# Altium PCB STM32F407开发板.PcbDoc (part 3 of 3) (continued)
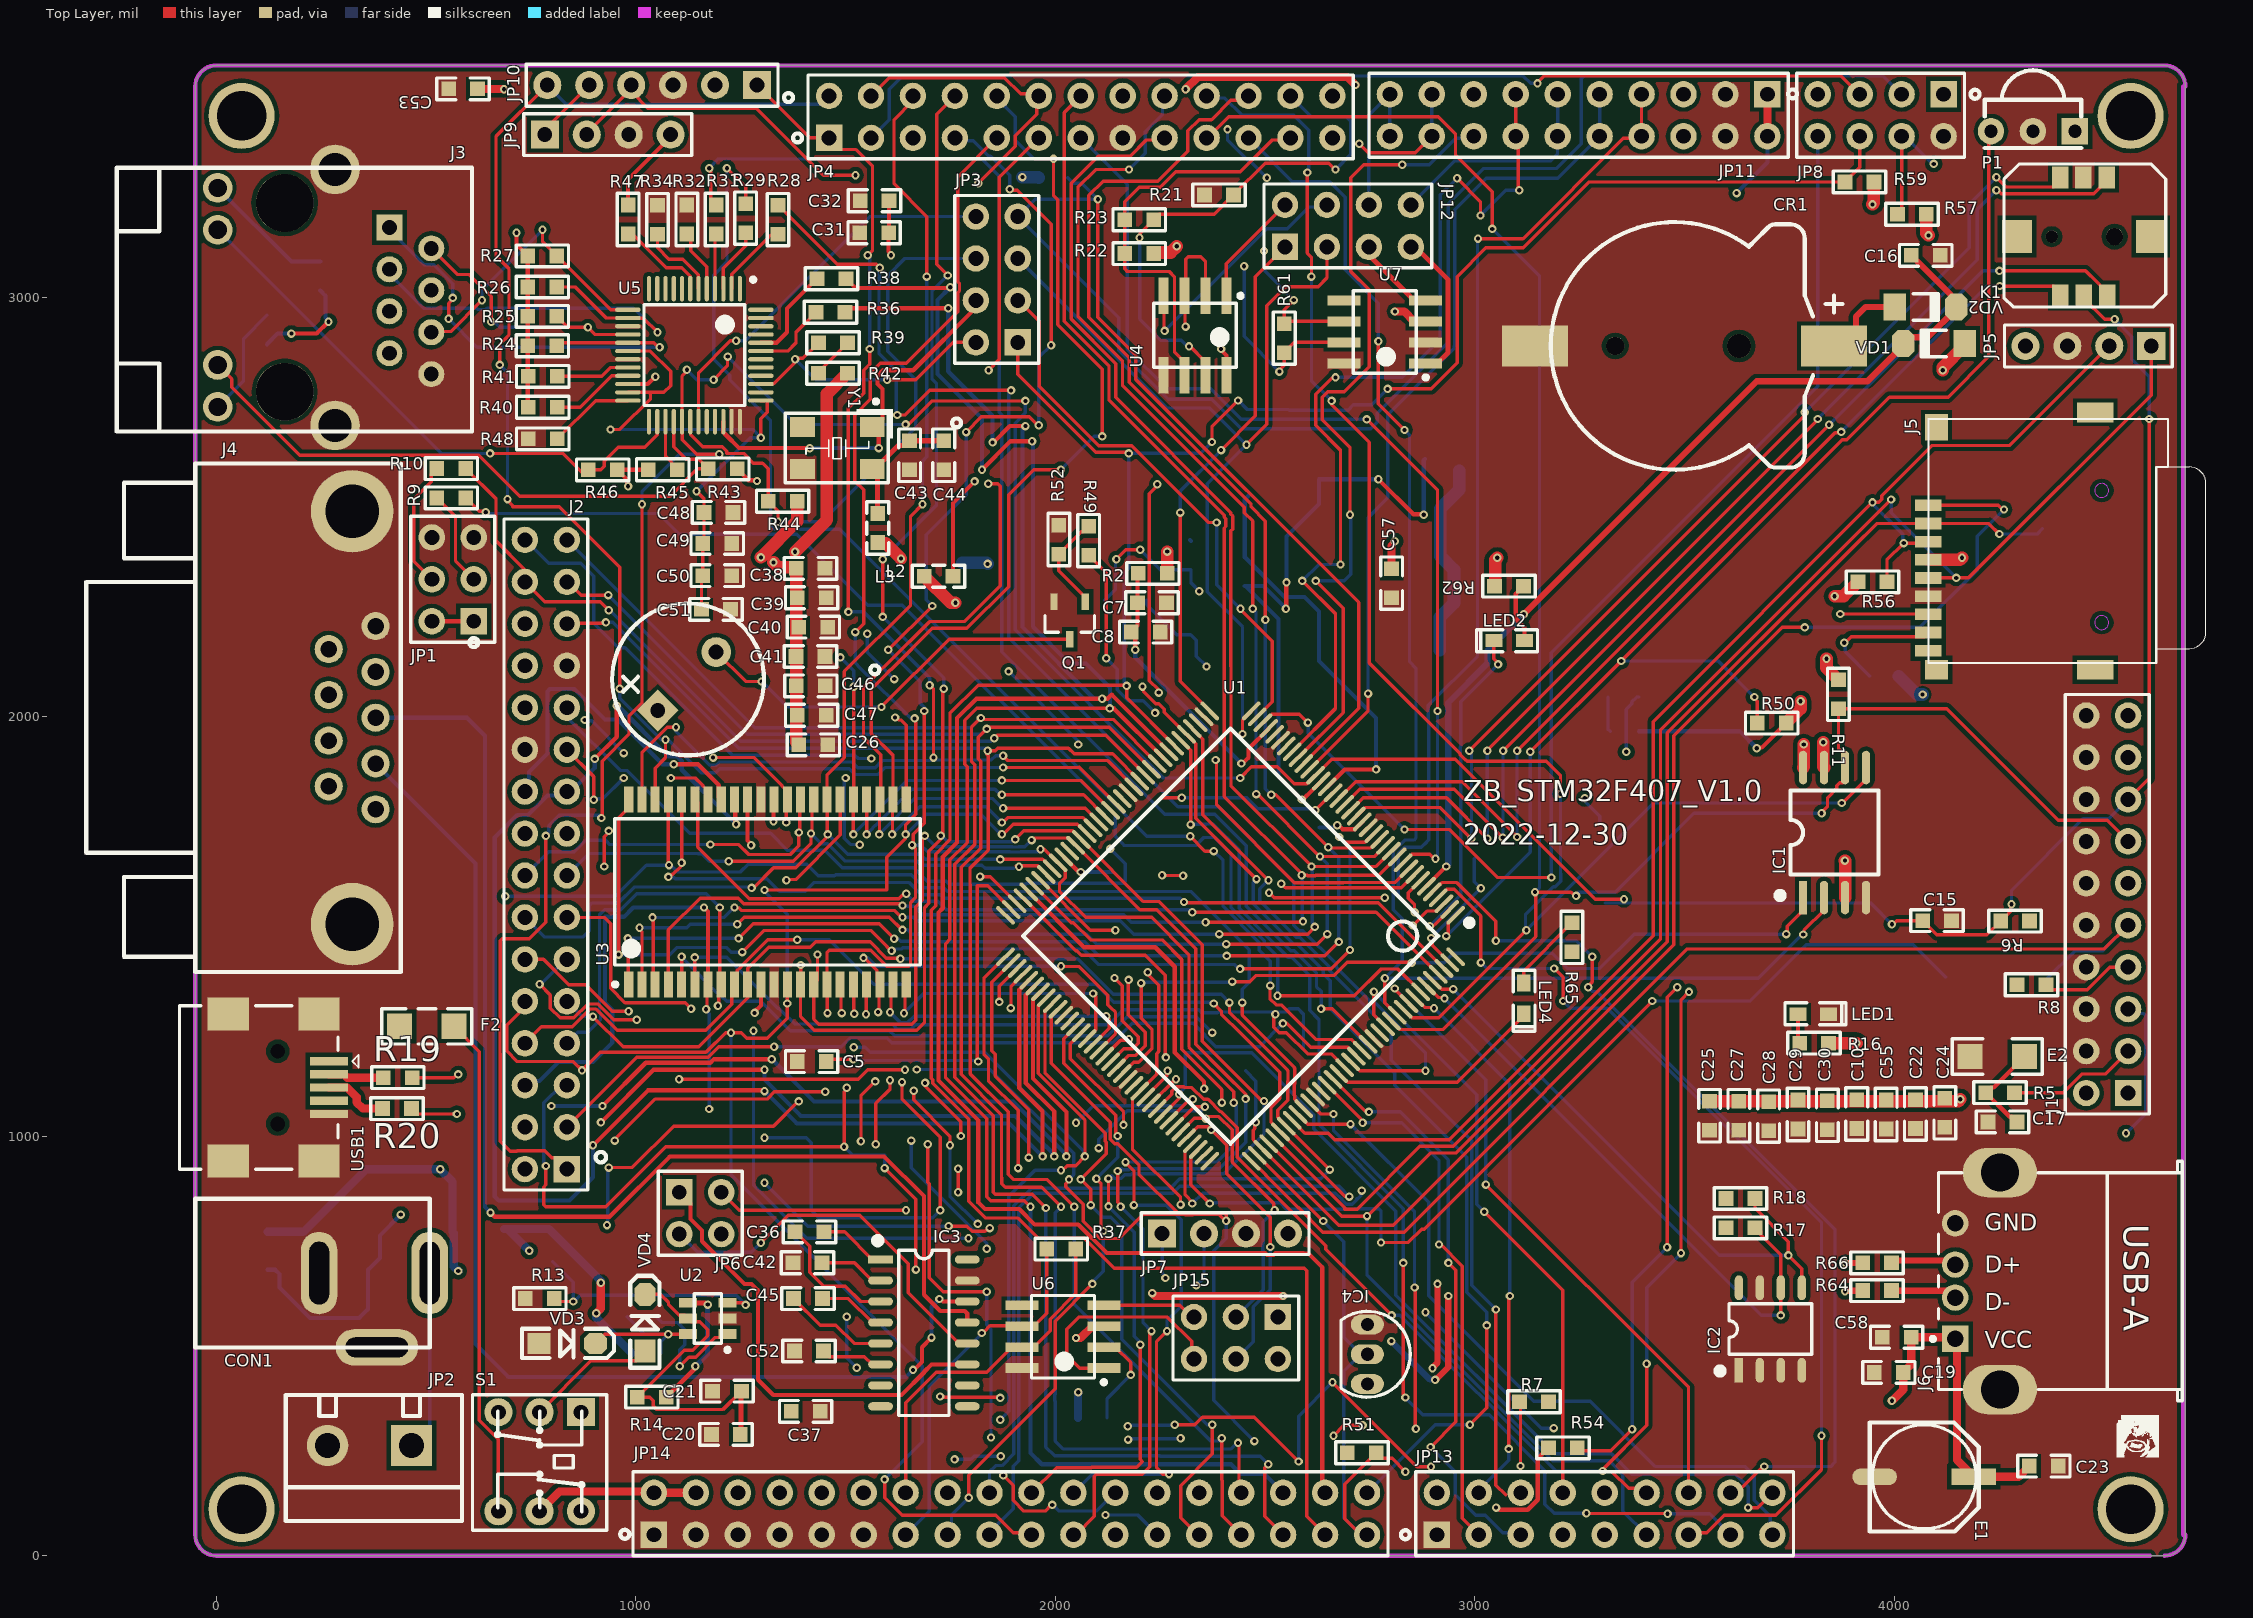
[diagram p0: Top Layer view]
## Nets (pads, with @x,y where several pads share a name; then routed paths per layer and width w, separated by ;. In a path a pad name is that pad's centre, name@x,y a point inside that pad or via, vN(x,y) a via of type N, cw(c..) or ccw(c..) an arc to the next point about the centre after c; other vN are vias at no path point) (continued)
  Bottom Layer w8: JP4.20@2361,3480 2366.01,3474.99 2404.5,3474.99 2445.74,3433.75 2568.77,3433.75 2604.5,3398.02 2604.5,3300.81 v1(2601.25,3297.56) ; v1(2611,3049.38) 2611,2800.96 v1(2659.03,2752.92) ; v1(3204.6,1816.29) 3204.6,1626.4 3205,1626 3205,1607.77 3192.11,1594.88 3187.98,1594.88 3121.21,1528.11 3121.21,1493.42 v1(3123.5,1491.12) 3426.87,1794.49 v1(3875.39,1794.49) v1@3872.71,1791.8
PB10: JP9.1 JP10.5 U1.69 | length 4679
  Top Layer w8: JP9.1@789.31,3387.85 783.34,3393.82 783.34,3399.76 JP10.5@889.31,3505.73 ; v1(924.98,1642.92) 924.98,1713.89 935.81,1724.72 v1(935.81,1727.97) ; v1(950.06,989.51) 950.06,992.73 1046.02,1088.69 1313.42,1088.69 1330.59,1105.86 v1(1451.99,1105.86) ; U1.69@1923.36,1568.37 2049.4,1442.33 2051.97,1442.33 2062.69,1431.61 2214.79,1431.61 2262.85,1383.55 2262.85,1193.58 2264,1192.43 v1(2264,1188)
  PWR03 w8: JP9.1@789.31,3387.85 918.02,3259.14 918.02,2675.76 957.74,2636.04 957.74,2212.72 937.14,2192.12 937.14,1729.3 v1(935.81,1727.97) ; v1(924.98,1642.92) 924.98,1328.76 950.06,1303.68 v1(950.06,989.51) ; v1(1451.99,1105.86) 1477.2,1105.86 1490.46,1092.6 1653.72,1092.6 1655.66,1090.67 1670.52,1090.67 1672.45,1092.6 2161.88,1092.6 2257.27,1188 v1(2264,1188)
PB11: JP9.2 JP10.4 U1.70 | length 2920.1
  Top Layer w8: JP9.2@889.31,3387.85 889.31,3396.79 JP10.4@989.31,3496.79 ; JP10.4@989.31,3505.73 JP10.4@989.31,3496.79 ; v1(1524.1,3290.83) 1447.7,3290.83 1288.54,3450 1029.97,3450 989.31,3490.66 JP10.4@989.31,3496.79 ; v1(1821,1619) 1844.89,1619 U1.70@1909.44,1554.45
  PWR03 w8: v1(1500.45,1854) 1500.45,1973.67 v1(1616.59,2089.82) ; v1(1524.1,3290.83) 1535.27,3279.66 1535.27,2215.33 1541.27,2209.32 1541.27,2208.94 v1(1552.23,2197.99) ; v1(1534,1695) 1624.43,1695 1700.43,1619 v1(1821,1619)
  Bottom Layer w8: v1@1496.96,1847.27 1496.96,1710.55 1512,1695.52 1533.48,1695.52 v1(1534,1695) ; v1(1552.23,2197.99) 1552.23,2154.19 v1(1616.59,2089.82)
PC4: JP14.34 R36.2 U1.44 | length 4683.4
  Top Layer w10: R36.2@1498.94,2964.4 1508.54,2974 v1(1745,2974) ; v1(1850.92,2653.99) 1852.84,2653.99 1891.67,2692.82 v1(1929,2692.82) ; U1.44@2271.34,1916.36 2134.7,2053 2124.7,2043 v1(2112,2043) 1812.31,2043 1766.26,1996.95 1766.26,1700.02 1732,1665.75 1732,1543.59 1721.66,1533.25 1721.66,1132.76 1816.86,1037.57 1816.86,841.93 1832.62,826.17 1914.32,826.17 1951.14,789.34 2055.17,789.34 2123.16,721.35 2500.87,721.35 2505.16,717.06 2520.84,717.06 2525.13,721.35 2592.27,721.35 2593.42,720.2 2604.23,720.2 2636.56,687.87 2636.56,156.94 JP14.34@2643.51,150 JP14.34@2648.56,155.06
  Bottom Layer w10: v1(1745,2974) 1745,2823.57 1850.92,2717.65 v1(1850.92,2653.99) ; v1(1929,2692.82) 1922,2685.82 1922,2214.03 2093.03,2043 v1(2112,2043)
PC5: JP14.32 R38.2 U1.45 | length 4712.4
  Top Layer w8: v1(1941.34,831.67) 1940.88,831.67 1926.65,845.9 1846,845.9 1836.63,855.28 1836.63,1041.84 1792.36,1086.1 1738.66,1139.8 1738.66,1372.58 1738.66,1458.99 1749,1469.34 1749,1658.71 1790.5,1700.21 1790.5,1723.06 1790.5,1880.77 1784.5,1886.77 1784.5,1991.14 1813.48,2020.13 1813.61,2020 v1(2130,2020)
  Top Layer w10: R38.2@1501.45,3044.39 1523.94,3021.89 1747.77,3021.89 v1(1749.88,3024) ; v1(1825.51,2589) 1893.52,2657 v1(1945,2657) ; v1(2130,2020) 2139.6,2020 2139.73,2020.13 U1.45@2257.42,1902.44
  Bottom Layer w10: v1(1749.88,3024) 1719.27,2993.39 1719.27,2816.85 1825.51,2710.61 v1(1825.51,2589) ; v1(1941.34,831.67) 1941.34,244.66 1968,218 2419.07,218 2442.57,194.5 2499.01,194.5 JP14.32@2543.51,150 ; v1(1945,2657) 1947,2655 1947,2214.49 2034.44,2127.05 2073.66,2127.05 2130.94,2069.77 2130.94,2020.94 v1(2130,2020)
PC10: J5.1 R60.1 U1.111 | length 3281.6
  Top Layer w8: v1(2478.41,1033.18) 2476.12,1030.89 2476.12,1018.37 2471.86,1014.11 2471.86,992.03 U1.111@2495.45,968.45 2610.59,853.3 2676.41,787.48 2805.74,787.48 3475,1456.75 3475,1954.75 3733.41,2213.16 v1(3787,2213.16) ; J5.1@4081.75,2504 4248.75,2504 4258.75,2494 v1(4262,2494)
  Bottom Layer w8: R60.1@2454,1156 2478.41,1131.59 v1(2478.41,1033.18) ; v1(3787,2213.16) 4061.3,2213.16 4198,2349.86 4198,2430 v1(4262,2494)
PC12: J5.5 JP5.1 U1.113 | length 3615.4
  Top Layer w8: U1.113@2523.78,996.28 U1.113@2523.29,996.28 2690.32,829.25 2690.32,826.17 2719.9,826.17 2869.62,975.88 2948.88,975.88 3443,1470 3443,1968 v1(3993,2518) ; J5.5@4081.75,2330.77 4081.98,2331 v1(4148.03,2331) 4177.42,2331 4613,2766.58 JP5.1@4613,2884
  Bottom Layer w8: v1(3993,2518) 3993,2486.03 v1(4148.03,2331)
PD2: J5.3 JP5.2 R56.1 U1.116 | length 3351.7
  Top Layer w8: U1.116@2565.04,1038.04 2595.58,1007.51 2651.15,1007.51 2666.78,991.88 2939.75,991.88 3425.81,1477.93 3425.81,1988.31 v1(3948.49,2511) 3963.37,2511 3971,2518.63 3971,2527.11 4090.61,2646.72 4275.72,2646.72 JP5.2@4513,2884 ; R56.1@3983,2321.64 3983,2374 v1(4023,2414) 4078.37,2414 J5.3@4081.75,2417.39
  Bottom Layer w8: v1(3948.49,2511) 3948.49,2507.91 4020.7,2435.7 4020.7,2416.3 v1(4023,2414)
PF11: J2.27 JP14.29 U1.49 | length 3759.4
  Top Layer w8: J2.27@836,2221.58 837.71,2223.29 927.29,2223.29 v1(929,2225) ; v1(2045.49,831.67) 1980.16,897 1900,897 1888,909 1888,1058.35 1798,1148.35 1798,1364.04 1798,1489.96 1797.87,1490.09 1797.87,1599.17 1797,1600.04 1797,1638.83 1840.36,1682.19 1840.36,1741.08 1840.36,1907.26 1836.59,1911.04 1839,1913.45 v1(1839,1919) 1856.89,1919 1862.82,1924.94 2031.8,1924.94 2045.02,1911.72 2136.78,1911.72 U1.49@2201.75,1846.76 ; v1(2397,280) 2397,180.65 2398.31,179.33 2398.31,95.19 JP14.29@2443.51,50
  Bottom Layer w8: v1(929,2225) 944.93,2225 1245.21,1924.71 1833.29,1924.71 v1(1839,1919) ; v1(2045.49,831.67) 2045.49,599.33 2371.55,273.27 2393.51,273.27 2397,276.76 v1(2397,280)
PG8: IC1.1 U1.93 | length 2059.2
  Top Layer w8: U1.93@2174.15,1163.56 U1.93@2159.99,1149.4 2160.49,1149.4 2187.65,1176.56 ; v1(2205,1365.03) 2205,1281.37 2230.85,1255.51 2230.85,1208.59 2198.82,1176.56 2187.65,1176.56 ; v1(2422.23,1368.65) 2464.06,1368.65 2478.41,1383 2664.6,1383 2696.27,1414.68 2849.02,1414.68 v1(2849.84,1413.87) ; v1(3742.84,1481.89) 3745.14,1484.18 3745.14,1500.88 3783.1,1538.84 IC1.1@3783.1,1569 ; U1.93@2174.4,1163.31 2187.65,1176.56 ; U1.93@2174.4,1163.31 2187.65,1176.56 ; U1.93@2174.4,1163.31 2187.65,1176.56
  Bottom Layer w8: v1(2205,1365.03) 2206.81,1366.84 2420.43,1366.84 v1(2422.23,1368.65) ; v1(2849.84,1413.87) 2927.6,1413.87 2949.6,1435.87 3184.79,1435.87 3220.71,1399.95 3298.35,1399.95 3380.29,1481.89 v1(3742.84,1481.89)
PG11: R28.2 U1.126 | length 3300.6
  Top Layer w8: R28.2@1339.31,3219.55 1480.47,3078.39 1573.92,3078.39 v1(1581.77,3070.55) ; v1(1623.5,2719.32) 1642,2719.32 1700.68,2778 v1(1895,2778) ; U1.126@2704.24,1177.24 2704.74,1177.24 2725.97,1156 v1(2882.78,1156)
  Bottom Layer w8: 1581.77,3029.81 v1(1581.77,3070.55) 1580.15,3068.93 1580.15,2865.65 1621.49,2824.31 1621.49,2721.33 v1(1623.5,2719.32) ; v1(1895,2778) 1889,2772 1889,2188.86 2292.77,1785.09 2389.36,1785.09 2568.75,1605.7 2568.75,1503 2581.64,1490.11 2590.26,1490.11 2670.89,1409.49 2670.89,1402.19 2750.8,1322.27 2759.29,1322.27 2882.78,1198.78 v1(2882.78,1156)
PG13: R29.2 U1.128 | length 3081.3
  Top Layer w8: v1(1217.55,3307.8) 1262.06,3263.29 R29.2@1262.06,3223.06 ; v1(2321.88,1714.98) 2357.14,1679.73 v1(2378,1679.73) ; v1(2513,1359) 2512.06,1358.06 2512.06,1327.57 2526.63,1313 2539.11,1313 2570,1282.11 2570.07,1282.11 2621.56,1230.62 2706.03,1230.62 2731.58,1205.08 U1.128@2732.08,1205.08 U1.128@2732.58,1205.08
  Bottom Layer w8: v1(1217.55,3307.8) 1217.55,3084.82 1185.8,3053.07 1185.8,2852.84 1224.45,2814.19 1224.45,2803.5 1321.37,2706.58 1321.37,2457.58 1331.87,2447.07 1486.35,2447.07 2217.95,1715.47 2321.39,1715.47 v1(2321.88,1714.98) ; v1(2378,1679.73) 2400.19,1657.53 2400.19,1547.9 2486.94,1461.16 2486.94,1442.86 2513,1416.8 v1(2513,1359)
PG14: R31.2 U1.129 | length 3337.5
  Top Layer w8: v1(1175.18,3307.8) 1175.18,3304.55 1178.56,3301.18 1178.56,3233.6 R31.2@1192.06,3220.1 ; v1(2634.07,1303.88) 2661.11,1303.88 U1.129@2746,1218.99
  Bottom Layer w8: v1(1175.18,3307.8) 1197.18,3329.8 1825.51,3329.8 1867,3288.31 1867,2725.62 1872.92,2719.69 1872.92,2155.23 2260.86,1767.28 2381,1767.28 2455.86,1692.42 2455.86,1548 2561.76,1442.11 2570.38,1442.11 2622.89,1389.61 2622.89,1356.83 2634.07,1345.65 v1(2634.07,1303.88)
RESET: B1.1 C15.2 J1.15 J2.1 K1.2 R6.1 U1.25 U5.29 | length 8522.1
  Top Layer w8: v1(786,1716.02) 786,1509.91 746.65,1470.56 681.8,1470.56 677.11,1465.88 677.11,1272.51 676.11,1271.51 676.11,1258.26 676.5,1257.87 676.5,1196.94 677.11,1196.33 677.11,987.89 701,964 716.91,964 717.98,965.08 783.59,965.08 799.59,949.08 808.5,949.08 J2.1@836,921.58 ; v1(918.35,1758.54) 920.21,1760.41 920.21,1894.25 983.96,1958 983.96,2001.34 1015.02,2032.4 v1(1015.02,2506.69) ; v1@1120.33,2832.51 1120.33,2828.97 v1(1122.04,2827.26) 1122.04,2824.01 1110.49,2812.46 U5.29@1110.49,2703.58 1110.84,2703.22 1110.84,2660.53 1145.38,2626 v1(1199,2626) ; v1(1185.8,2803.5) 1218.82,2836.52 1218.82,2858.08 v1(1219.26,2858.52) ; v1(1643.39,2696.91) 1650.46,2696.91 1706.47,2752.92 v1(1929,2752.92) ; v1(2441.31,1854) 2468.03,1880.72 2529.64,1880.72 2570.07,1840.28 2599.82,1840.28 2620.22,1860.68 U1.25@2620.72,1860.68 2659.03,1898.99 2953.47,1898.99 3287.46,1565 v1(3356,1565) ; v1(3994.69,1505.51) 3997.93,1505.51 4006.43,1514 C15.2@4068,1514 4102,1480 4221,1480 R6.1@4254,1513 4277.7,1536.7 4277.7,1550.7 v1(4280,1553) ; K1.2@4452.1,3004 4452.1,2997.11 4501.74,2947.48 v1(4525.61,2947.48) ; J1.15@4558,1803 4608,1853 v1(4608,2709.91)
  Bottom Layer w8: v1(786,1716.02) 792.5,1722.53 792.5,1739.6 817.98,1765.08 915.83,1765.08 918.35,1762.56 v1(918.35,1758.54) 918.35,1757.97 v1@919.67,1756.65 ; v1(1015.02,2506.69) 1015.02,2536.83 1104.2,2626 v1(1199,2626) ; v1(1122.04,2827.26) 1145.8,2803.5 v1(1185.8,2803.5) ; v1(1219.26,2858.52) 1220.01,2858.52 1381.62,2696.91 v1(1643.39,2696.91) ; v1(1929,2752.92) 1929,2724.25 1905,2700.25 1905,2206.99 2257.99,1854 v1(2441.31,1854) ; 3311,1556 3944.19,1556 v1(3994.69,1505.51) ; v1(4280,1553) 4280,1586.51 4450.23,1756.75 4511.75,1756.75 J1.15@4558,1803 ; v1(4525.61,2947.48) 4566.8,2906.28 4566.8,2852.04 4608,2810.85 v1(4608,2709.91)
RMII_MDC1: JP3.8 U5.31 | length 932.2
  Top Layer w8: U5.31@1149.86,2703.58 1149.86,2820.67 1225.53,2896.34 v1(1239.48,2896.34)
  Bottom Layer w8: v1(1239.48,2896.34) 1261.69,2896.34 1557.85,3192.5 JP3.8@1811,3192.5
RMII_MDIO1: JP3.6 R44.1 U5.30 | length 1427.6
  Top Layer w8: U5.30@1130.18,2703.58 1130.53,2703.22 1130.53,2673.39 1159.98,2643.94 1206.43,2643.94 1216.94,2633.43 1216.94,2627.65 1257.25,2627.65 1280.19,2604.71 1302.49,2604.71 1315.99,2591.21 R44.1@1315.99,2513.63 1339.3,2490.32 v1(1339.3,2465.01)
  Bottom Layer w8: v1(1339.3,2465.01) 1443.07,2465.01 1667.77,2689.71 1667.77,2803.88 1600.6,2871.06 1600.6,3051.52 1641.57,3092.5 JP3.6@1811,3092.5
RMII_RX_CLK1: JP3.4 U5.34 Y1.1 | length 927.8
  Top Layer w10: U5.34@1208.92,2703.58 1208.92,2678.14 1214.74,2672.32 1214.74,2672.25 1246.4,2640.58 1414.72,2640.58 v1(1415.04,2640.26) ; v1(1579.34,2640.58) 1579.34,2675.15 Y1.1@1563.92,2690.58 1569.82,2690.58 1588.45,2709.2 1588.45,2781.7 1576.49,2793.66 1576.49,2812.71 1589.96,2826.18 1661.69,2826.18 1811,2975.49 JP3.4@1811,2992.5
  Bottom Layer w10: v1(1415.04,2640.26) 1415.2,2640.42 1579.18,2640.42 v1(1579.34,2640.58)
RMII_RX_DV1: JP3.2 R39.1 U5.39 | length 670.7
  Top Layer w8: U5.39@1298.48,2793.14 1298.83,2793.5 1328.67,2793.5 1377.83,2842.65 1377.83,2849.9 v1(1380.13,2852.2) 1382.42,2854.49 1398.85,2854.49 R39.1@1436,2891.65 ; v1(1599.49,2803.18) 1667.27,2803.18 1756.58,2892.5 JP3.2@1811,2892.5
  Bottom Layer w8: v1(1380.13,2852.2) 1429.14,2803.18 v1(1599.49,2803.18)
USB_DM: J6.2 R64.1 | length 173.7
  Top Layer w15: R64.1@3994,632 3994.69,631.32 4129.55,631.32 J6.2@4145.64,615.23 J6.2@4160.71,615.23
USB_DM1: JP15.1 R64.2 | length 1651.8
  Top Layer w15: v1(2905.87,419) 2906.96,419 2937.39,449.43 v1(2937.39,619) ; v1(3883.1,630.63) 3883.78,631.32 3924.31,631.32 R64.2@3925,632
  PWR03 w15: JP15.1@2531,569 2584.63,515.37 2774.6,515.37 2777.34,512.63 2800.72,512.63 v1(2801.67,511.67) ; v1(2937.39,619) 2938.74,619 2960.18,640.44 3873.29,640.44 v1(3883.1,630.63)
  Bottom Layer w15: v1(2801.67,511.67) 2893.39,419.95 2904.91,419.95 v1(2905.87,419)
USB_DP: J6.3 R66.1 | length 154
  Top Layer w15: R66.1@3994,698 3999.68,703.69 J6.3@4145.64,703.69
USB_DP1: JP15.2 R66.2 | length 1626.2
  Top Layer w15: v1(2899.61,447) 2899.61,448.35 2911.61,460.36 v1(2911.61,647.97) ; v1(3883.1,698) R66.2@3925,698
  PWR03 w15: JP15.2@2531,469 2690.31,469 2714.06,445.25 2896.5,445.25 2898.26,447 v1(2899.61,447) ; v1(2911.61,647.97) 2911.61,649.33 2915,652.72 2915,663.22 2923.79,672 3857.1,672 v1(3883.1,698)
USB_HS_DM: R19.2 USB1.2 | length 134.2
  Top Layer w19.68: USB1.2@269.02,1147.49 304.45,1147.49 312.33,1139.62 394.89,1139.62 R19.2@398.5,1136
USB_HS_DP: R20.2 USB1.3 | length 155.6
  Top Layer w19.68: USB1.3@269.02,1116 312.13,1116 334.78,1093.35 334.78,1080.77 349.56,1065.99 R20.2@396.59,1065.99
VBAT: C16.2 U1.6 VD1.2 VD2.2 | length 2251.9
  Top Layer w10: U1.6@2885.19,1596.21 2885.3,1596.21 2932.22,1643.13 v1(2932.54,1643.13)
  Top Layer w15: v1(3117,2244.16) 3672.64,2799.8 3936.68,2799.8 4021.97,2885.08 VD1.2@4021.97,2890 4036.55,2904.58 4080.53,2904.58 4148.03,2972.08 VD2.2@4148.03,2977 4137.65,2987.38 4137.65,3003.35 C16.2@4041,3100
  Bottom Layer w15: v1(2932.54,1643.13) 2937.11,1647.69 2937.11,2033.66 3030.5,2127.05 3030.5,2157.66 v1(3117,2244.16)
VCC3.3: C9.2 C10.2 C11.2 C12.2 C13.2 C14.2 C17.2 C22.2 C24.2 C25.2 C26.2 C27.1 C28.1 C29.1 C30.1 C33.1 C34.1 C37.2 C38.1 C39.1 C40.1 C41.1 C46.1 C47.1 C54.1 C55.1 C56.2 E2.1 IC1.3 IC1.7 IC1.8 IC2.8 IC3.16 IC4.3 J1.1 J1.2 J2.24 J5.4 JP1.1 JP1.2 JP4.16 JP5.4 JP7.4 JP8.7 JP9.4 JP13.2 JP14.6 JP14.8 JP14.10 JP14.12 L2.1 L3.2 P1.1 R2.2 R4.2 R5.1 R6.2 R7.1 R8.1 R11.1 R16.2 R17.1 R18.1 R22.2 R33.1 R42.1 R44.2 R47.2 R50.2 R51.2 R53.2 R54.2 R55.1 R56.2 R57.1 R58.2 R59.1 R60.2 R62.1 R63.1 R65.1 U1.17 U1.30 U1.39 U1.52 U1.62 U1.72 U1.84 U1.95 U1.108 U1.121 U1.131 U1.144 U3.11 U3.33 U4.8 U5.32 U5.48 V1.2 VD1.1 | length 5837.3
  Top Layer w10: JP1.2@514,2227.7 JP1.1@614,2227.7 ; R47.2@982.03,3220.11 982.03,3280.56 JP9.4@1089.31,3387.85 ; v1(1283.58,1293.99) 1283.58,1296.7 1298.49,1311.6 U3.11@1298.49,1361.82 ; v1(1328.53,1751.08) 1328.53,1801.31 U3.33@1329.98,1802.76 ; U1.62@2020.79,1665.81 2054.8,1631.8 2059.09,1631.8 v1(2061,1629.89) ; v1(2395.68,2876.68) 2395.68,2873.98 2408.3,2861.35 U4.8@2408.3,2814.51 ; v1(2672.72,1741.47) 2675.42,1741.47 2684.91,1731.99 2706.5,1731.99 2706.55,1732.04 2714.79,1732.04 U1.17@2732.08,1749.32 ; v1(3051.21,114.66) 3053.91,114.66 3059,109.57 3126.75,109.57 3150.43,133.25 3150.43,231.52 R54.2@3176,257.09 ; v1(3672.64,1924.91) 3674.55,1926.82 3684.66,1926.82 R50.2@3742.84,1985 ; C17.2@4293,1034 4280.5,1046.5 4275.7,1046.5 R5.1@4218.19,1104.01 4230.69,1116.51 4237.49,1116.51 E2.1@4311,1190.02
  Top Layer w30: v1(1298.48,2379.91) 1384.99,2466.42 R44.2@1384.99,2513.63 ; v1(1328.53,2367.91) 1340.22,2356.22 1379.99,2356.22 C38.1@1382.49,2353.72 1382.49,1939.44 C26.2@1388.99,1932.95 ; v1(1379.99,2393.32) 1455.97,2469.3 1455.97,2769.97 R42.1@1505,2819 ; L3.2@1576.99,2415.5 1579.49,2413 1596.34,2413 v1(1632.39,2376.95) ; L2.1@1687.58,2334.95 1750.63,2271.9 v1(1762.11,2271.9) ; R22.2@2235,3104.27 2237.5,3106.77 2275.11,3106.77 v1(2289.99,3121.65) ; v1(2267.07,2393.73) 2267.31,2393.49 R2.2@2267.31,2341.91 ; R62.1@3047.46,2311.45 3048.92,2312.9 3048.92,2373.95 v1(3053.96,2378.99) ; C25.2@3559.93,1083.33 C27.1@3629.94,1083.33 4152.93,1083.33 v1(4157.87,1088.27) ; R50.2@3742.84,1985 3777.15,2019.31 v1(3777.15,2036.91) ; IC1.8@3783.1,1879 3784.7,1880.61 v1(3784.7,1934) ; v1(3830.92,1939.32) 3830.92,1881.17 IC1.7@3833.1,1879 ; v1(3838.84,2138.1) 3838.84,2116.51 R11.1@3867.34,2088 ; R16.2@3843.84,1221.91 v1(3910.51,1221.91) ; v1(3858.09,2287.46) 3879.82,2287.46 R56.2@3914,2321.64 ; v1(3882.84,1657) 3883.1,1656.74 IC1.3@3883.1,1569 ; v1(3948.5,3221.43) 3952,3224.93 R59.1@3952,3275 ; R57.1@4077,3198 4077,3152.48 v1(4081.98,3147.5) ; J5.4@4081.75,2374.08 4157.04,2374.08 v1(4161.97,2379) ; v1(4116,2826) 4116,2833.05 4168.03,2885.08 VD1.1@4168.03,2890
  PWR03 w10: JP13.2@2910,150 2950.43,109.57 3043.41,109.57 3048.5,114.66 v1(3051.21,114.66)
  Bottom Layer w10: V1.2@122.05,681.52 140.75,681.52 150.51,671.76 150.51,639.6 223.64,566.47 340.79,566.47 362.05,587.72 V1.2@362.05,681.52 390.51,709.99 390.51,763.61 v1(440,813.1) ; v1(2061,1629.89) C54.1@2136,1629.89 ; C56.2@2630.76,1736.33 2664.87,1736.33 2670.01,1741.47 v1(2672.72,1741.47) ; R63.1@3392,1965.32 3632.23,1965.32 v1(3672.64,1924.91)
  Bottom Layer w30: C11.2@1778.15,2366.83 1836.46,2366.83 v1(1838.91,2364.38) ; v1(1922,3286.5) 1959.5,3286.5 R55.1@1961,3285 ; C12.2@2916.62,2158.11 2916.62,2236.93 2950.93,2271.24 C14.2@2950.93,2350.07 2918.04,2382.96 C9.2@2918.04,2444.44 2918.04,2495.97 2962.94,2540.87 C13.2@2962.94,2586.69 ; R53.2@4011,2097 4055,2053 v1(4068,2053)
VCC3.3E: C31.1 C32.1 J3.4 J3.5 L2.2 R24.1 R25.1 R26.1 R27.1 R30.2 R35.2 R40.2 R41.2 R43.2 R45.2 R46.2 U5.22 | length 1314.9
  Top Layer w10: v1(179.32,2913.55) 239.46,2913.55 v1(267.69,2941.77) ; v1(715.91,3154.06) 715.91,3125.61 R27.1@742.9,3098.62 742.9,2738.79 R40.2@744,2737.69 ; U5.22@981.55,2793.14 1028.89,2793.14 1046.15,2810.41 v1(1046.97,2810.41) ; v1(982.03,2549.64) 980.11,2551.55 980.11,2564.5 R46.2@955.96,2588.65 1029.62,2588.65 R45.2@1029.97,2589 ; R43.2@1241.98,2590.95 1269.03,2563.9 1287.4,2563.9 v1(1289.31,2561.98) ; C32.1@1604.1,3230 1604.1,3155.17 C31.1@1602.99,3154.06 1602.99,3108.76 1608.65,3103.1 v1(1608.65,3100.39) ; L2.2@1756.58,2334.95 1756.58,2509.65 v1(1807.94,2561)
  Bottom Layer w10: R30.2@121,2888.09 146.46,2913.55 v1(179.32,2913.55) ; R35.2@248,3016 260.5,3003.5 260.5,2951.66 267.69,2944.48 v1(267.69,2941.77)
VCC5: C19.2 C23.1 C35.2 C53.2 C57.1 C58.1 DZ1.2 E1.1 J2.26 J6.1 JP10.2 JP11.1 JP11.2 JP14.2 JP14.4 L1.2 R15.1 S1.5 U6.3 U7.3 V1.3 | length 12186.3
  Top Layer w19.68: C53.2@623,3496.79 685.13,3496.79 685.91,3496 v1(686,3496) ; S1.5@771,105.89 818.24,153.13 1040.37,153.13 JP14.2@1043.51,150 JP14.4@1143.51,150 ; v1(906,578) 906,578.09 917,589.09 v1(917,650.5) ; v1(2049.83,519) 2049.89,519.06 2060.62,519.06 2088.57,547 U6.3@2116.13,547 ; v1(2231.33,625.97) 2238.31,619 v1(2543.51,619) ; v1(2311,3496) 2340.28,3525.28 2696.64,3525.28 2715.91,3506 v1(2716,3506) ; C57.1@2802,2353 2802,2407.66 ; v1(2810,2966.15) 2810.06,2966.09 2832.28,2966.09 2855.88,2942.5 U7.3@2883.44,2942.5 ; JP11.2@3698,3384 JP11.1@3698,3484 ; v1(3994.69,369.17) 4022,396.48 C19.2@4022,436.82 4040.63,455.46 C58.1@4040.63,520.62 J6.1@4164.53,520.62 ; J6.1@4145.64,516.8 4149.97,512.47 4149.97,227.99 E1.1@4190.01,187.95 ; E1.1@4202.05,187.95 4296.61,187.95 C23.1@4322.4,213.75
  PWR03 w10: v1(2810,2418.36) 2810,2687.65 2823.44,2701.09 2823.44,2950.01 2810,2963.45 v1(2810,2966.15) 3342.15,2966.15 v1(3624.5,3248.5)
  PWR03 w19.68: v1(534,921.12) 534,1919.58 J2.26@736,2121.58 670.69,2186.89 670.69,2528.85 699.78,2557.94 699.78,3020.04 686,3033.82 v1(686,3496) ; v1(577.11,678.63) 697.77,678.63 v1(746.14,727) ; JP10.2@1189.31,3505.73 1260.32,3434.72 2279.75,3434.72 2310.94,3465.91 2310.94,3495.94 v1(2311,3496) ; v1(2049.83,519) 2156.81,625.97 v1(2231.33,625.97) ; v1(2543.51,619) 2792.9,619 3042.73,369.17 v1(3994.69,369.17) ; v1(2716,3506) 2716,3506.09 2725,3515.09 2725,3516 2742.78,3533.78 3648.22,3533.78 JP11.1@3698,3484
  Bottom Layer w10: v1(3624.5,3248.5) 3698,3322 JP11.2@3698,3384
  Bottom Layer w19.68: V1.3@122.05,772.07 207.66,772.07 356.71,921.12 v1(534,921.12) 563.55,891.56 563.55,772.05 566.14,769.46 566.14,689.68 577.11,678.72 v1(577.11,678.63) ; DZ1.2@686,778.75 DZ1.2@694.31,778.75 ; v1(746.14,727) v1(746.14,727) DZ1.2@694.31,778.75 ; v1(906,578) 906.06,577.94 906.06,567.11 L1.2@990.5,482.66 ; v1(917,650.5) 916.94,650.56 916.94,655.19 R15.1@871.13,701 793.38,778.75 DZ1.2@694.31,778.75 ; C35.2@2054.76,328.5 2054.76,389.25 v1(2055.17,389.76) v1(2055.17,389.76)
VDDA: C7.2 C8.2 R2.1 U1.32 U1.33 | length 681.7
  Top Layer w10: v1(2191,2159.83) 2191,2192.2 C8.2@2181.31,2201.89 2196.5,2217.08 C7.2@2196.5,2271.9 2196.5,2340.11 R2.1@2198.31,2341.91 ; v1(2444,1888.52) 2446.71,1888.52 2460.63,1902.44 2461,1902.44 2461,1923.67 U1.33@2509.37,1972.04 U1.33@2509.25,1972.04
  Bottom Layer w10: v1(2191,2159.83) 2191,2141.52 v1(2444,1888.52)
pads on no net: CR1.0 IC3.7 IC3.8 IC3.9 IC3.10 J1.11 J1.17 J1.19 J2.28 J3.0 J3.7 J4.1 J4.4 J4.6 J4.7 J4.8 J4.9 J5.9 J5.10 J5.11 J5.12 J5.13 JP11.5 K1. K1.] S1.1 S1.6 U5.1 U5.8 U5.9 U5.10 U5.11 U5.12 U5.25 U5.33 U5.38 U5.40 U5.41 U5.42 U5.45 U5.46 U6.5 U7.5 USB1.4 USB1.MH1 USB1.MH2 X1.3 X1.4 Y1.2

## Polygon pours and split planes (outlines as drawn)
GND on Top Layer "TOP" (solid, remove dead copper, pour order 7): -50,50 -50,3502.76 cw(c0,3502.76) 0,3552.76 4644.49,3552.76 cw(c4644.49,3502.76) 4694.49,3502.76 4694.49,50 cw(c4644.49,50) 4644.49,0 0,0 cw(c0,50)
GND on Bottom Layer "BOTTOM" (solid, remove dead copper, pour order 8): -50,50 -50,3502.76 cw(c0,3502.76) 0,3552.76 4644.49,3552.76 cw(c4644.49,3502.76) 4694.49,3502.76 4694.49,50 cw(c4644.49,50) 4644.49,0 0,0 cw(c0,50)
GND on PWR03 "PWR" (solid, remove dead copper, pour order 9): -50,50 -50,3502.76 cw(c0,3502.76) 0,3552.76 4644.49,3552.76 cw(c4644.49,3502.76) 4694.49,3502.76 4694.49,50 cw(c4644.49,50) 4644.49,0 0,0 cw(c0,50)
VCC3.3 on GND02 (split plane): 1127.9,3347.1 742.11,3347.1 739.31,3349.9 739.31,3432.75 1127.9,3432.75
VCC5 on GND02 (split plane): 880.9,2456.68 880.9,2057.31 697.83,2057.31 697.83,2278.32 697.44,2280.27 696.34,2281.92 691.1,2287.16 691.1,2458.4 879.18,2458.4
VCC3.3 on GND02 (split plane): 880.9,980.11 880.6,979.81 697.83,979.81 697.83,2047.12 880.9,2047.12
VCC5 on GND02 (split plane): 4370.8,767.01 4369.69,765.35 4369.3,763.4 4369.3,89.51 4337.89,58.1 3865.76,58.1 3865.76,876.26 3981.33,991.83 4595.62,991.83
VCC5 on GND02 (split plane): 2204.44,693.82 2204.44,218.14 2060.58,74.28 701.44,74.28 701.44,640.39 704.65,643.61 705.76,645.26 706.15,647.21 706.15,802.9 2095.35,802.9
VCC3.3E on GND02 (split plane): 1867.9,3219.28 1867.9,2541.93 367.67,2541.93 366.6,2542.64 364.65,2543.03 82.56,2543.03 82.56,3323.79 1758.85,3323.79 1760.8,3324.17 1762.12,3325.06
VCC5 on GND02 (split plane): 1334.21,3460.83 509.05,3460.83 509.05,3527.66 744.31,3527.66 746.26,3528.05 747.92,3529.15 749.02,3530.81 749.39,3532.66 1334.21,3532.66
VCC5 on GND02 (split plane): 0,3532.66 498.85,3532.66 498.85,3455.73 499.24,3453.78 500.35,3452.13 502,3451.02 503.95,3450.63 1339.31,3450.63 1341.26,3451.02 1342.92,3452.13 1344.02,3453.78 1344.41,3455.73 1344.41,3532.66 4644.49,3532.66 4644.99,3532.71 4649.18,3532.38 4653.76,3531.28 4658.1,3529.48 4662.12,3527.02 4665.7,3523.96 4668.75,3520.39 4671.21,3516.37 4673.01,3512.02 4674.11,3507.45 4674.44,3503.26 4674.39,3502.76 4674.39,3502.75 4674.39,50 4674.44,49.5 4674.11,45.31 4673.01,40.73 4671.21,36.38 4668.75,32.37 4665.7,28.79 4662.12,25.74 4658.1,23.28 4653.76,21.48 4649.18,20.38 4644.99,20.05 4644.49,20.1 0,20.1 -0.5,20.05 -4.69,20.38 -9.27,21.48 -13.62,23.28 -17.63,25.74 -21.21,28.79 -24.26,32.37 -26.72,36.38 -28.52,40.73 -29.62,45.31 -29.95,49.5 -29.9,50 -29.9,3502.76 -29.95,3503.26 -29.62,3507.45 -28.52,3512.02 -26.72,3516.37 -24.26,3520.39 -21.21,3523.96 -17.63,3527.02 -13.62,3529.48 -9.27,3531.28 -4.69,3532.38 -0.5,3532.71
VCC3.3 on GND02 (split plane): 4644.49,3473.75 4644.49,998.42 4605.52,998.42 4605.43,998.88 4604.32,1000.53 4602.67,1001.64 4600.72,1002.03 3979.22,1002.03 3977.27,1001.64 3975.61,1000.53 3857.05,881.97 3855.95,880.32 3855.56,878.37 3855.56,58.1 277.64,58.1 222.1,113.64 222.1,848 221.95,848.73 203.99,2359.5 205.49,2359.8 207.14,2360.91 208.25,2362.56 208.64,2364.51 208.25,2366.46 207.51,2367.57 207.51,2482.53 2066.42,2482.53 2068.37,2482.92 2070.02,2484.02 2117.78,2531.78 2118.88,2533.43 2119.27,2535.38 2119.27,3494.28 2127.34,3502.35 4615.89,3502.35

## Keep-outs
Keep-Out Layer:
  lines w10: 4609.84,0 0,0 cw(c0,50) -50,50 -50,3502.76 cw(c0,3502.76) 0,3552.76 4644.49,3552.76 cw(c4644.49,3502.76) 4694.49,3502.76 ; 4644.49,0 ccw(c4644.49,50) 4694.49,50 ; 4688.58,50 4688.58,3502.76

## Other copper
GND02 (plane layer: these items are gaps in the copper):
  lines w10: 77.46,3330.84 77.46,2537.93 364.65,2537.93 ; 79.41,3328.88 1758.85,3328.88 ; 198.85,2362.5 217,836.48 ; 203.54,2364.51 202.41,2365.64 202.41,2483.6 198.38,2487.63 2066.42,2487.63 2114.17,2535.38 2114.17,3496.39 2125.23,3507.45 4618,3507.45 4649.59,3475.86 4649.59,993.33 ; 217,848 217,111.53 275.53,53 4340,53 4374.4,87.4 4374.4,763.4 4604.32,993.33 4644.49,993.33 ; 365.75,2536.83 1593.96,2536.83 1873,2536.83 1873,3221.39 1763.56,3330.84 ; 686,2239.7 686,2285.05 692.73,2278.32 692.73,978.32 686,971.58 686,2463.5 ; 691.1,2463.5 881.29,2463.5 886,2458.79 886,978 883.19,975.19 ; 692.73,2052.22 886,2052.22 ; 696.34,807.61 695.95,808 2097.47,808 2209.54,695.93 2209.54,216.03 2062.69,69.18 696.34,69.18 696.34,642.5 701.05,647.21 701.05,808 ; 696.34,974.71 883.68,974.71 886.8,971.59 ; 739.31,3555.73 1336.34,3555.73 1339.31,3552.76 1339.31,3455.73 739.31,3455.73 503.95,3455.73 503.95,3532.71 504,3532.76 744.31,3532.76 ; 3872.79,53 3860.66,53 3860.66,878.37 3979.22,996.93 4600.72,996.93 ; 734.21,3347.79 740,3342 1133,3342 1133,3437.85 734.21,3437.85 734.21,3347.79

## Silkscreen, mask and mechanical layers (free items; w line width, h text height)
Top Overlay:
  drawing of 399 lines, arcs and shapes, not listed
  text "ZB_STM32F407_V1.0" at 2973.14,1798.94 h50
  text "2022-12-30" at 2973.14,1694.94 h50

## Dimensions
0,3552.76 to 0,0 on Top Overlay
0,0 to 4609.84,0 on Top Overlay

## Text inside footprints (layer, text, board x,y; h text height)
J6: Top Overlay "GND" at 4215.64,774.6 h40; Top Overlay "D+" at 4215.64,674.6 h40; Top Overlay "D-" at 4215.64,584.6 h40; Top Overlay "VCC" at 4215.64,494.6 h40; Top Overlay "USB-A" at 4547.6,789.64 h60 r270